# KiCad board latentpink.kicad_pcb (continued)
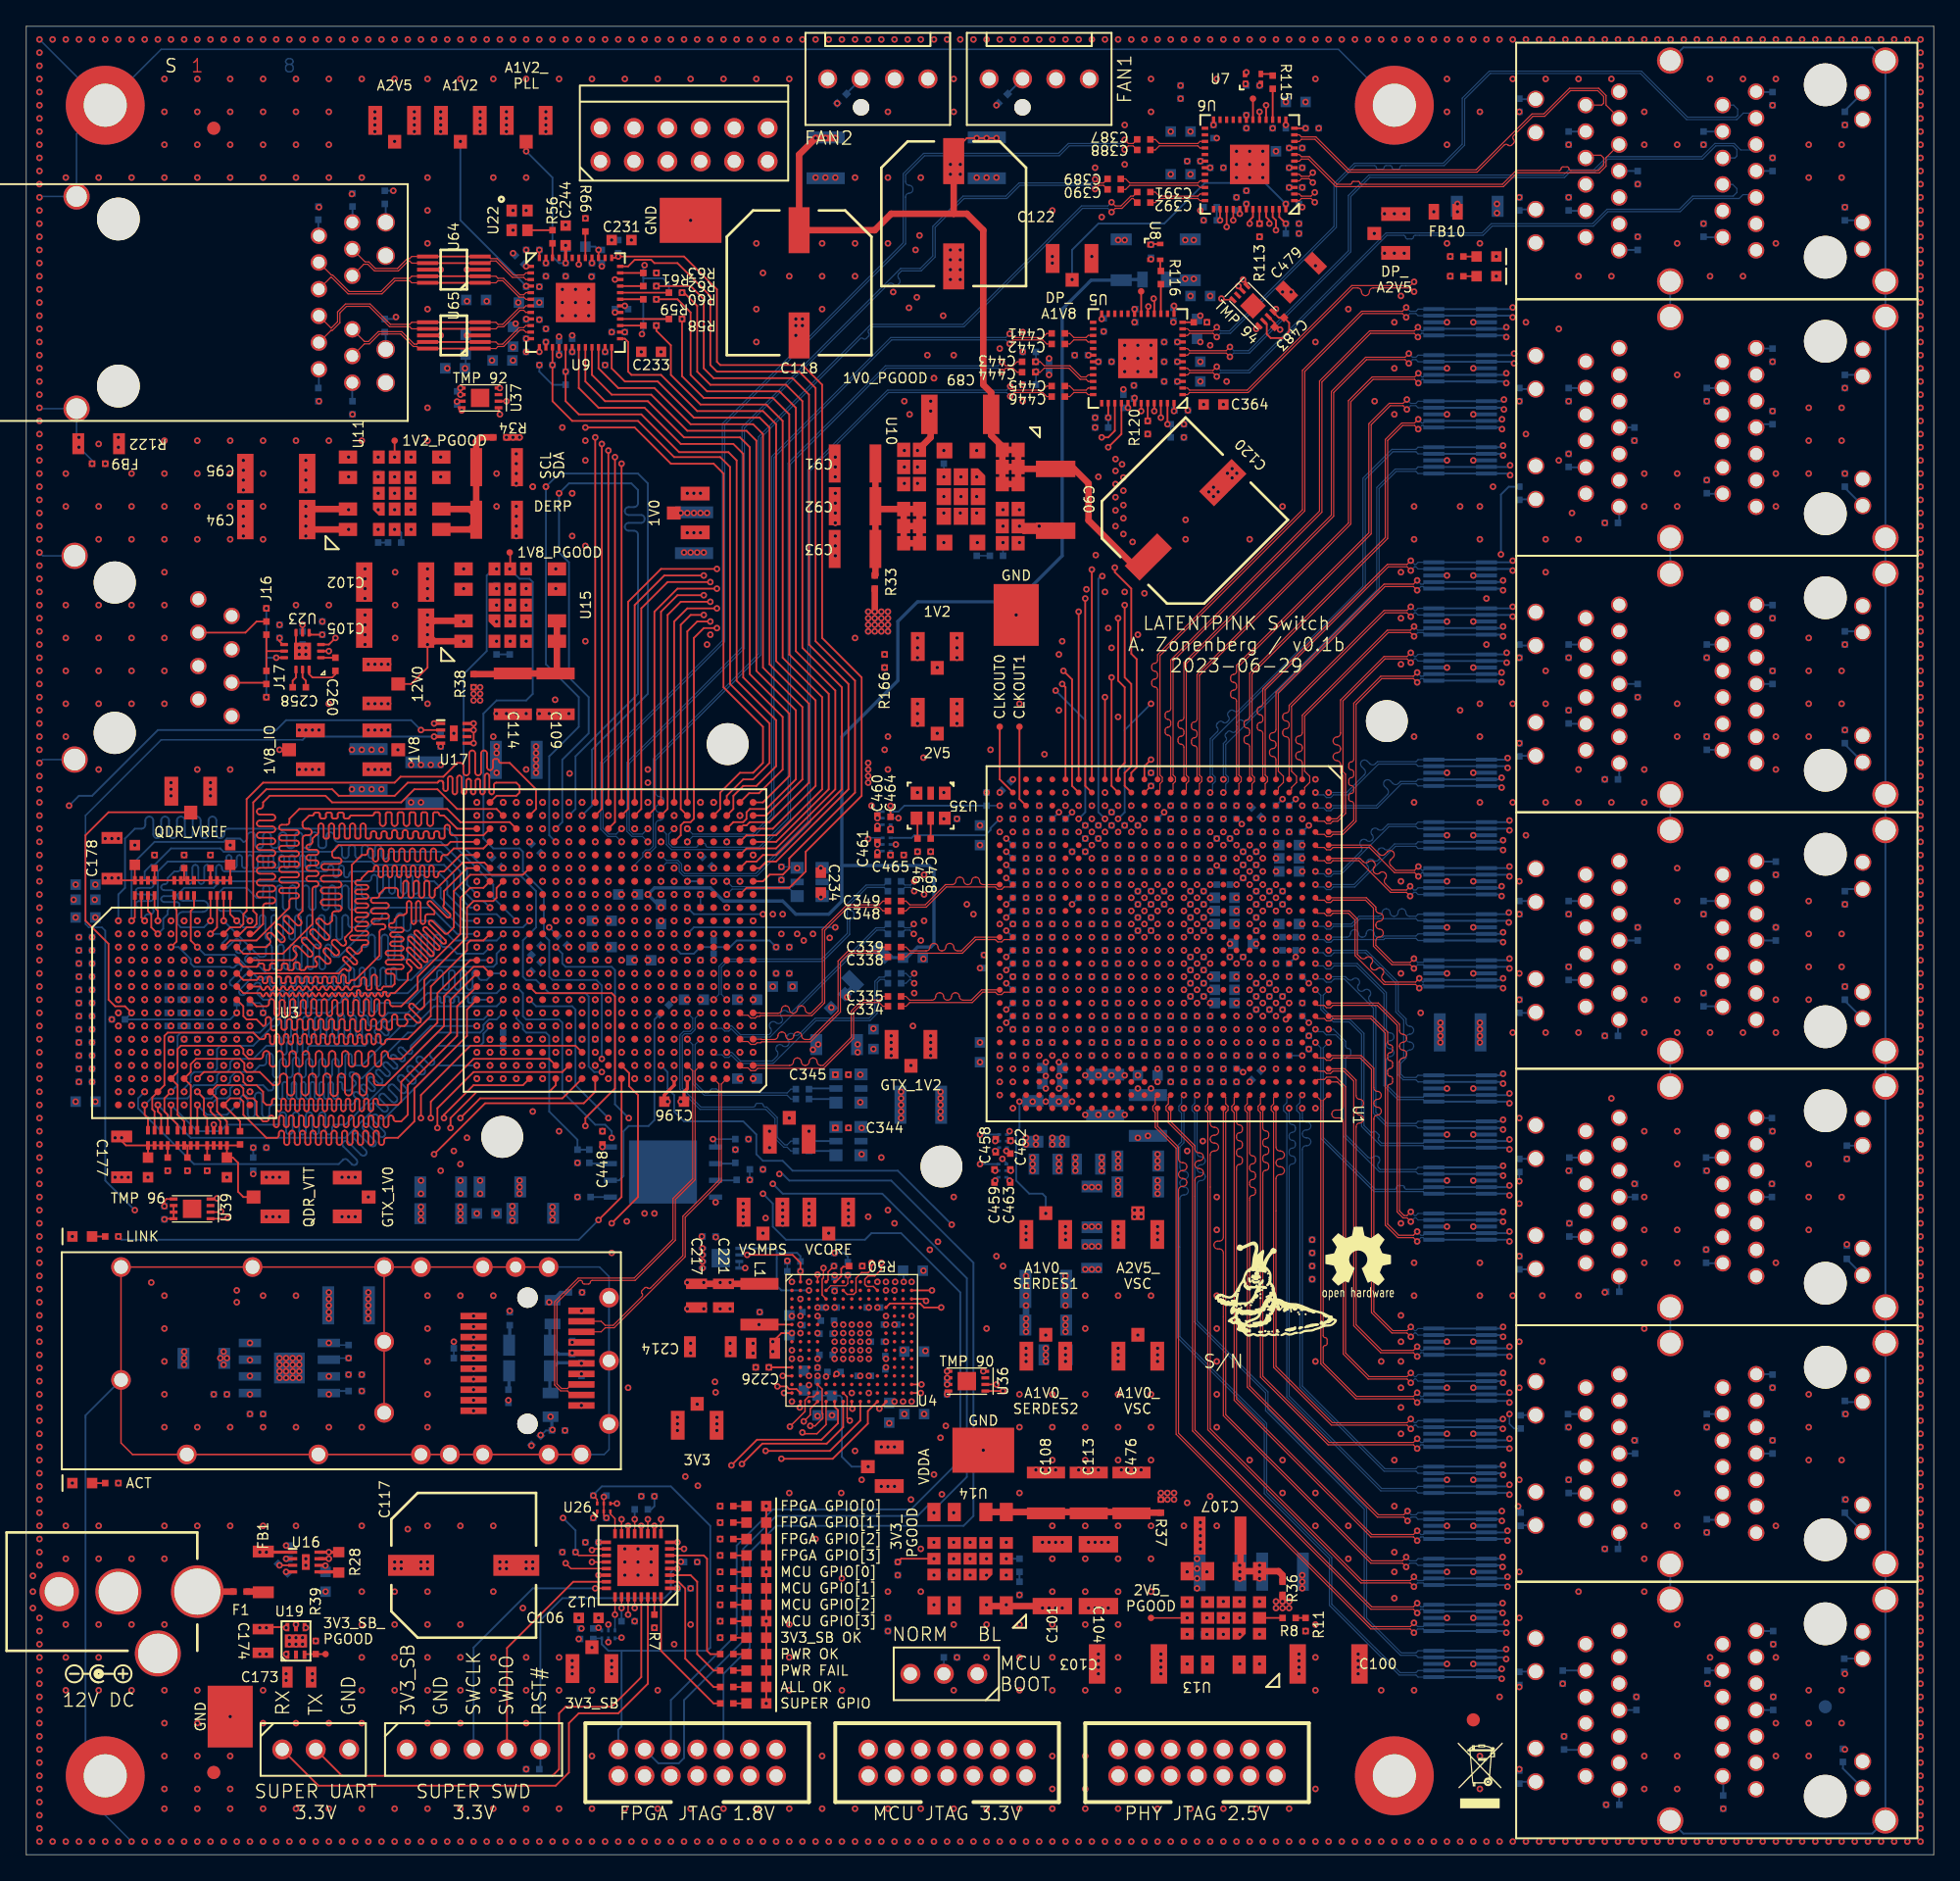
[diagram p0: board, top side]
## Routing (per net, layer and track width the routed paths; a pad name or vN(x,y) marks a point on that pad's centre or on a via; arc(x,y) is an arc through that point) (continued)
/Management/ETH12_LED2_3V3: length 110.9
  In2.Cu w0.115: v1(67.1,117.6) 59.8,110.3 59.8,70.8 59.1,70.1 v1(59.1,69.5)
  In5.Cu w0.115: v1(59.1,69.5) 59.1,65.85 58.75,65.5 47.75,65.5 v1(47.25,66) ; v1(108.25,121.5) 107.25,120.5 101.75,120.5 100.95,119.7 93.9,119.7 92.8,120.8 87.2,120.8 85.35,118.95 81.05,118.95 79.7,117.6 v1(67.1,117.6)
/Management/ETH13_LED0_3V3: length 117.8
  In2.Cu w0.115: v1(57.5,71.5) 58,72 58,112.4 v1(67.6,122)
  In5.Cu w0.115: v1(57.5,71.5) 57.5,71.25 55.75,69.5 50,69.5 49.75,69.25 49.75,68.75 49.5,68.5 47,68.5 46.75,68.25 46.75,66.75 46.25,66.25 v1(46.25,66) ; v1(67.6,122) 68.3,122.7 76.5,122.7 77.2,122 97.75,122 101.75,126 v1(113.5,126)
/Management/ETH13_LED1_3V3: length 123.3
  In2.Cu w0.115: v1(67.9,123.1) 56.75,111.95 v1(56.75,71.5)
  In5.Cu w0.115: v1(67.9,123.1) 82.1,123.1 82.5,123.5 84.25,123.5 84.65,123.1 86.4,123.1 86.9,123.6 90.15,123.6 90.65,123.1 92.6,123.1 93.2,122.5 96.9,122.5 102.15,127.75 108.75,127.75 v1(113.5,132.5) ; v1(45.25,65) 45.75,65.5 45.75,68.25 46,68.5 46.5,68.5 46.75,68.75 46.75,69.25 47,69.5 49.5,69.5 49.75,69.75 49.75,70.25 50,70.5 55.75,70.5 v1(56.75,71.5)
/Management/ETH13_LED2_3V3: length 108.2
  In2.Cu w0.115: v1(59.8,70) 61.6,71.8 61.6,92.85 62.22,93.47 62.22,109.53 v1(69.7,117)
  In5.Cu w0.115: v1(108.25,120) 102,120 101.3,119.3 93.7,119.3 92.6,120.4 87.5,120.4 85.8,118.7 82.8,118.7 81.2,117.1 69.8,117.1 v1(69.7,117) ; v1(59.8,70) 59.8,66 58.3,64.5 48.75,64.5 v1(48.25,65)
/Management/ETH_LED1_P: length 64.4
  In2.Cu w0.115: v1(28.1,116.9) 28.3,116.9 29.1,116.1 29.1,112.7 35.2,106.6 35.2,103.2 34.8,102.8 34.8,92.8 35.2,92.4 35.2,86.3 35.5,86 39.4,86 41.3,84.1 v1(41.3,82.2)
  In5.Cu w0.115: v1(41.3,82.2) 42.75,80.75 42.75,68.75 42.5,68.5 42,68.5 41.75,68.25 41.75,64.75 42,64.5 42.75,64.5 v1(43.25,64)
  Bottom w0.14: v1(28.1,116.9) 27.95,116.75 R54.1
/Management/ETH_LED2_P: length 74.3
  In2.Cu w0.115: v1(40.2,87.8) 40.2,93.8 38.8,95.2 38.8,98 38,98.8 38,105.5 39.4,106.9 39.4,110.2 36,113.6 36,122.4 31.9,126.5 v1(27.9,126.5)
  In5.Cu w0.115: v1(43.25,65) 42.75,65.5 42.75,68.25 43,68.5 43.5,68.5 43.75,68.75 43.75,86.25 42.2,87.8 v1(40.2,87.8)
  Bottom w0.14: R55.1 v1(27.9,126.5)
/Management/FAN1_PWM: length 103.4
  Top w0.115: U4.B11 64.4,43.2 63.9,43.2 63.75,43.35 63.75,43.75 64,44 64.5,44 65,44.5 v1(65,45)
  In2.Cu w0.115: v1(65,45) 67.12,47.12 67.12,53.62 68.5,55 70.5,55 70.75,55.25 70.75,76.75 71.25,77.25 71.25,80.75 76.8,86.3 76.8,92.8 78.5,94.5 78.5,116.5 77,118 77,130 75,132 73.63,132 73.19,132.44 J11.4
/Management/FAN1_TACH: length 108.6
  In2.Cu w0.115: v1(77.4,83.66) 77.4,91.83 79.1,93.53 79.1,117.6 78.75,117.95 78.75,120.5 79.1,120.85 79.1,131.63 J11.3 ; v1(67.4,63) 67.4,63.5 68.9,65 68.9,74.89 68.15,75.65 68.15,83.35 68.15,83.35 v1(68.2,83.4)
  In5.Cu w0.115: v1(46.25,64) 46.75,63.5 46.75,62.75 47,62.5 62.8,62.5 63,62.3 64.75,62.3 65.45,63 v1(67.4,63) ; v1(77.4,83.66) 77.14,83.4 v1(68.2,83.4)
  Bottom w0.14: J11.3 74.6,133.87
/Management/FAN2_PWM: length 107.4
  Top w0.115: U4.B7 62.4,42.6 62.9,42.6 63.08,42.78 63.08,43.83 63.5,44.25 64,44.25 64.25,44.5 v1(64.25,45)
  In2.Cu w0.115: v1(64.25,45) 64.25,45.5 66.5,47.75 66.5,54 68,55.5 69.75,55.5 70.25,56 70.25,81.55 72.6,83.9 72.6,96.65 ; J12.4 60.92,132.92 62.09,131.75 67.75,131.75 69.75,129.75 69.75,126.25 72.6,123.4 72.6,110.15
  In2.Cu w0.14: 72.6,110.15 72.6,107.65 73.25,107 73.25,97.3 72.6,96.65
/Management/FAN2_TACH: length 104.1
  In2.Cu w0.115: v1(61.07,69.7) 61.26,69.7 62.1,70.54 62.1,83 63.1,84 v1(65.25,84) ; J12.3 65.23,133.23 68.52,133.23 71.75,130 71.75,126.1 73.3,124.55 73.3,109.95 ; v1(73.3,84) 73.3,96.55 74,97.25
  In2.Cu w0.14: 73.3,109.95 73.3,108.95 75,107.25 75,98.25 74,97.25
  In5.Cu w0.115: v1(73.3,84) v1(65.25,84) ; v1(47.25,64) 47.75,63.5 58.5,63.5 61.07,66.07 v1(61.07,69.7)
  Bottom w0.14: J12.3 62.35,133.89
/Management/FPGA_LED0: length 34.8
  In2.Cu w0.115: v1(47.25,59) 47.25,53.75 49.75,51.25 49.75,34.2 52.75,31.2 v1(52.75,26.5)
/Management/FPGA_LED1: length 38.4
  In2.Cu w0.115: v1(46.25,61) 46.75,60.5 46.75,53.75 49.1,51.4 49.1,31.75 52.25,28.6 52.25,25.75 v1(52.75,25.25)
/Management/FPGA_LED2: length 37.7
  In2.Cu w0.115: v1(46.25,59) 46.25,53.65 48.7,51.2 48.7,31.65 52,28.35 52,24.75 v1(52.75,24)
/Management/FPGA_LED3: length 40.8
  In2.Cu w0.115: v1(46.25,60) 45.25,59 45.25,55.5 45.75,55 45.75,53.75 48.35,51.15 48.35,31.4 51.75,28 51.75,23.75 v1(52.75,22.75)
/Management/HARD_RESET_REQ: length 30.1
  Top w0.115: U12.28 v1(46.25,18.75)
  In2.Cu w0.115: v1(46.25,18.75) 47.25,18.75 48.6,20.1 48.6,23.7 51.05,26.15 v1(51.05,28.05)
  In5.Cu w0.115: v1(64.05,35.1) 64.05,32.7 59.4,28.05 v1(51.05,28.05)
/Management/I2C_SCL: length 6.3
  Top w0.14: v1(54.8,45.6) 58.25,45.6 58.85,45 v1(58.85,44.35) U4.A2
  Bottom w0.14: U20.6 v1(54.8,45.6)
/Management/I2C_SDA: length 10.5
  Bottom w0.14: 57.05,45.75 57.05,45.95 56.9,46.1 U20.5 ; 57.05,45.75 57.05,43.25 57.4,42.9 v1(59.5,42.9) ; 57.05,45.75 58.6,45.75 58.85,45.5 R52.1
/Management/MCU_BOOT0: length 40.2
  Top w0.115: v1(60.6,44.6) 60.6,43.85 60.5,43.75 60.5,42.55 U4.C5
  In2.Cu w0.115: v1(60.6,44.6) 60.6,43.14 62,41.74 62,41.3 61.5,40.8 61.35,40.8 60.85,40.3 60.85,36.86 61.2,36.51 61.2,34.15 61.95,33.39 v1(61.95,27.5) ; v1(67.25,27) 67.25,18.5 v1(70.75,15)
  In5.Cu w0.115: v1(67.25,27) 66.75,27.5 v1(61.95,27.5)
/Management/MCU_HEARTBEAT: length 31.8
  Top w0.115: U12.27 v1(45.75,18.25)
  In2.Cu w0.115: v1(50.1,28.75) 50.1,25.9 48.1,23.9 48.1,20.6 46.95,19.45 46,19.45 45.75,19.2 v1(45.75,18.25)
  In5.Cu w0.115: v1(50.1,28.75) 59.3,28.75 63.5,32.95 63.5,34.35 v1(62.75,35.1)
/Management/MCU_IRQ: length 34
  Top w0.14: U4.P1 v1(57.6,35.1)
  In2.Cu w0.115: v1(47.25,62) 47.75,61.5 49.6,61.5 49.8,61.3 49.8,60.2 50.75,59.25 50.75,58.75 51.5,58 51.5,56.25 53,54.75 53,47.5 54.1,46.4 54.1,44.3 54.7,43.7 54.7,36.15 55.75,35.1 v1(57.6,35.1)
/Management/MCU_JTAG_TCK: length 46.4
  In2.Cu w0.115: J10.6 68,10.25 67,11.25 65.25,11.25 63.5,13 v1(63.5,28.5) ; v1(69,28.9) 69,40.05 66.75,42.3 65.35,42.3 64.95,42.7 64.95,43.15 v1(65.35,43.55)
  In5.Cu w0.115: v1(69,28.9) 68.6,28.5 v1(63.5,28.5)
/Management/MCU_JTAG_TDI: length 43.4
  In2.Cu w0.115: v1(64.7,43.55) 64.7,42.3 67.6,39.4 67.6,34.71 67.7,34.61 67.7,33.7 67.65,33.65 67.65,31.7 64.5,28.55 64.5,13.5 65.75,12.25 69.5,12.25 72,9.75 J10.10
/Management/MCU_JTAG_TDO: length 42.1
  In2.Cu w0.115: v1(63.55,44.75) 63.55,41.4 64.72,40.22 64.72,34.88 64.45,34.6 64.45,29.1 64,28.65 64,13.25 65.5,11.75 69,11.75 70,10.75 J10.8
/Management/MCU_JTAG_TMS: length 43.9
  In2.Cu w0.115: v1(69.5,31.7) 69.5,40.05 66.65,42.9 v1(66,42.9) ; J10.4 66,9.75 63,12.75 v1(63,30.7)
  In5.Cu w0.115: v1(69.5,31.7) 69.45,31.65 63.95,31.65 v1(63,30.7)
/Management/MCU_JTAG_TRST:
  vias: v1(61.45,42.85)
/Management/MCU_LED0: length 19.6
  Top w0.14: U4.R6 61.45,34.05 61.7,33.8 61.7,32.8 60.45,31.55 55.55,31.55 v1(53.6,29.6)
  In2.Cu w0.115: v1(52.75,21.5) 53.5,22.25 53.5,29.5 v1(53.6,29.6)
/Management/MCU_LED1: length 20.9
  Top w0.14: U4.R7 62.1,32.5 60.85,31.25 55.95,31.25 v1(54.4,29.7)
  In2.Cu w0.115: v1(54.4,29.7) 53.75,29.05 53.75,21.25 v1(52.75,20.25)
/Management/MCU_LED2: length 22.7
  Top w0.14: U4.R9 63.4,33 61.1,30.7 v1(56.2,30.7)
  In2.Cu w0.115: v1(52.75,19) 54,20.25 54,28.5 v1(56.2,30.7)
/Management/MCU_LED3: length 23.9
  Top w0.14: U4.R11 63.97,33.72 63.97,32.78 61.3,30.1 v1(57.4,30.1)
  In2.Cu w0.115: v1(57.4,30.1) 54.25,26.95 54.25,19.25 v1(52.75,17.75)
/Management/MCU_QSPI_CLK: length 42.1
  Top w0.115: v1(62.6,33) 62.4,33.2 62.4,34.8 U4.P7
  In2.Cu w0.115: v1(52.4,35.15) 51.38,36.17 51.38,39.38 50.85,39.9 50.85,50.85 47.75,53.95 47.75,60.5 v1(47.25,61)
  In5.Cu w0.115: v1(62.6,33) 62.5,33 60.8,34.7 58.85,34.7 57.55,36 56.9,36 56.05,35.15 v1(52.4,35.15)
/Management/MCU_QSPI_CS_N: length 51.3
  Top w0.14: 65.35,34.41 v1(64.85,33.91)
  In2.Cu w0.115: v1(69.9,32.6) 70.4,33.1 70.4,47.85 v1(70.35,47.9)
  In5.Cu w0.115: v1(64.85,33.91) 65.29,33.91 66.6,32.6 v1(69.9,32.6)
  Bottom w0.14: v1(48.25,60) 48.75,59.5 48.75,58.25 49.25,57.75 49.25,56.5 50,55.75 54.5,55.75 55.5,54.75 55.5,53.25 56,52.75 57.5,52.75 58.25,52 66.25,52 v1(70.35,47.9)
/Management/MCU_QSPI_DQ0: length 34
  Top w0.14: U4.R2 58.85,34.05 v1(58.8,34)
  In2.Cu w0.115: v1(58.8,34) 56.1,34 54.2,35.9 54.2,43.6 53.25,44.55 53.25,46.85 51.9,48.2 51.9,53.8 51.75,53.95 51.75,55.15 51,55.9 51,58 50.5,58.5 50,58.5 49.75,58.75 49.75,59.25 49.5,59.5 49,59.5 48.75,59.75 48.75,60.5 v1(48.25,61)
/Management/MCU_QSPI_DQ1: length 38.2
  Top w0.115: v1(62.8,33.91) 62.75,33.96 U4.R8
  In2.Cu w0.115: 52.35,35.95 52.35,36.55 ; 52.35,36.55 52.35,35.95 v1(52.35,35.95) ; 52.35,36.55 52.35,46.15 51.9,46.6 51.9,47.4 51.4,47.9 51.4,50.85 48.25,54 v1(48.25,59)
  In5.Cu w0.115: v1(52.35,35.95) 52.4,36 56.25,36 57.05,36.8 58.05,36.8 58.97,35.88 58.97,35.42 59.25,35.15 61.56,35.15 v1(62.8,33.91)
/Management/MCU_QSPI_DQ2: length 34.1
  Top w0.14: U4.M1 v1(57.5,36.4)
  In2.Cu w0.115: v1(48.25,63) 48.25,63.05 48.7,63.5 51.4,63.5 51.7,63.2 51.7,59.8 52.25,59.25 52.25,57.05 54.3,55 54.3,51.5 53.8,51 53.8,48.14 57.2,44.74 57.2,36.7 v1(57.5,36.4)
/Management/MCU_QSPI_DQ3: length 35.3
  Top w0.14: v1(57.1,35.6) 57.8,35.6 58,35.4 58.55,35.4 U4.P2
  In2.Cu w0.115: v1(57.1,35.6) 56,36.7 56,37.7 56.25,37.95 56.25,44.95 53.4,47.8 53.4,55.1 51.75,56.75 51.75,59.25 50.8,60.2 50.8,62.3 50.6,62.5 47.75,62.5 v1(47.25,63)
/Management/MCU_UART_RX: length 122.7
  Top w0.14: U23.2 v1(23,91.5) ; U4.C15 68.25,42.25 v1(68.4,42.1)
  In2.Cu w0.115: v1(68.69,45.99) 68.7,45.97 68.7,43.8 68.2,43.3 68.2,42.3 v1(68.4,42.1)
  In5.Cu w0.115: v1(68.69,45.99) 62.61,45.99 62.1,46.5 8.7,46.5 4.5,50.69 4.5,76.75 13.45,85.7 17.2,85.7 v1(23,91.5)
/Management/MCU_UART_TX: length 123.8
  Top w0.14: U4.B15 v1(68.85,42.9) ; U23.3 23,92 v1(23.5,92.5)
  In2.Cu w0.115: v1(69.3,46.6) 69.3,43.35 v1(68.85,42.9)
  In5.Cu w0.115: v1(69.3,46.6) 62.65,46.6 62.4,46.85 53.07,46.85 52.32,47.6 8.4,47.6 5.75,50.25 5.75,72 9,75.25 9,80.5 13.45,84.95 17.45,84.95 23.5,91 v1(23.5,92.5)
/Management/MCU_VDDA: length 9.7
  Bottom w0.115: 61.15,34.9 FB5.2 C213.1
  Bottom w0.14: v1(64,29.5) 62.75,29.5 62,30.25 62,34.75 61.85,34.9 C210.1
  vias: v1(60.15,36.4)
/Management/PMOD_DQ0: length 68.3
  In2.Cu w0.115: v1(42.25,64) 41.75,64.5 41.75,67.25 42,67.5 42.5,67.5 42.75,67.75 42.75,73.35 43.3,73.9 43.3,76.39 42.75,76.94 42.75,83 45.75,86 45.75,113.25 44.1,114.9 44.1,119.6 44.25,119.75 44.25,122 43.65,122.6 J23.1
/Management/PMOD_DQ1: length 64.9
  In2.Cu w0.115: J23.2 46.19,123.56 46.5,123.25 46.5,121.75 46.25,121.5 46.25,114.19 46.75,113.69 46.75,85.5 44.75,83.5 44.75,67.75 44.5,67.5 44,67.5 43.75,67.25 43.75,66.5 v1(43.25,66)
/Management/PMOD_DQ2: length 69.9
  In2.Cu w0.115: J23.3 48.73,112.98 47.75,112 47.75,85 46.25,83.5 46.25,79 46.75,78.5 46.75,64.75 46.5,64.5 44,64.5 43.75,64.25 43.75,63.5 v1(43.25,63)
/Management/PMOD_DQ3: length 67.3
  In2.Cu w0.115: v1(47.25,82.5) 48.75,84 48.75,111.75 51.27,114.27 J23.4
  In5.Cu w0.115: v1(44.25,65) 43.75,65.5 43.75,68.25 44,68.5 44.5,68.5 44.75,68.75 44.75,80 v1(47.25,82.5)
/Management/PMOD_DQ4: length 68.9
  In2.Cu w0.115: J23.7 45,129.92 45,122.25 45.5,121.75 45.5,121.06 45.25,120.81 45.25,118.25 45,118 45,117.56 45.25,117.31 45.25,116.75 45,116.5 45,114.75 46.25,113.5 46.25,85.75 43.75,83.25 43.75,67.75 43.5,67.5 43,67.5 42.75,67.25 42.75,66.5 v1(42.25,66)
/Management/PMOD_DQ5: length 67.6
  In2.Cu w0.115: J23.8 47.5,129.96 47.5,112.5 47.25,112.25 47.25,85.25 45.75,83.75 45.75,66.75 45.5,66.5 44.75,66.5 v1(44.25,66)
/Management/PMOD_DQ6: length 73.6
  In2.Cu w0.115: J23.9 50,130 50,123.5 49.25,122.75 49.25,113 48.25,112 48.25,84.75 46.75,83.25 46.75,79.5 47.75,78.5 47.75,63.75 47.5,63.5 44.75,63.5 v1(44.25,63)
/Management/PMOD_DQ7: length 71.5
  In2.Cu w0.115: v1(47.25,81.5) 49.25,83.5 49.25,111.5 52.5,114.75 52.5,130.04 J23.10
  In5.Cu w0.115: v1(47.25,81.5) 45.75,80 45.75,68.75 45.5,68.5 45,68.5 44.75,68.25 44.75,64.5 v1(45.25,64)
/Management/RGMII PHY/CLK_125_N: length 5.7
  Bottom w0.09: U21.5 58.24,73.59 53.66,73.59 v1(53.25,74)
/Management/RGMII PHY/CLK_125_P: length 5.7
  Bottom w0.09: v1(53.25,73) 53.66,73.41 58.06,73.41 U21.4
/Management/RGMII PHY/DCI_VRN_34: length 0.5
  Bottom w0.14: R74.2 v1(52.25,68)
/Management/RGMII PHY/DCI_VRP_34:
  vias: v1(51.25,76)
/Management/RGMII PHY/ETH_A_N: length 14.5
  Top w0.09: J5.10 25.66,120.91 25.96,120.91 26.46,120.41 28.29,120.41 29.04,121.16 29.14,121.16 29.3,121 U64.7 ; U9.3 37.97,119.75 37.81,119.91 36.96,119.91 35.71,121.16 35.31,121.16 35.15,121
  Top w0.14: U64.4 U64.7
/Management/RGMII PHY/ETH_A_P: length 14.6
  Top w0.09: J5.11 25.76,121.09 26.04,121.09 26.54,120.59 28.21,120.59 28.96,121.34 29.14,121.34 29.3,121.5 U64.6 ; U9.2 37.97,120.25 37.81,120.09 37.04,120.09 35.79,121.34 35.31,121.34 35.15,121.5
  Top w0.14: U64.6 U64.5
/Management/RGMII PHY/ETH_B_N: length 18.1
  Top w0.09: U9.6 37.97,118.25 37.81,118.41 37.46,118.41 36.21,119.66 35.86,119.66 35.7,119.5 U64.1 ; U64.10 29.3,119.5 29.14,119.66 28.04,119.66 27.04,118.66 24.46,118.66 23.21,119.91 23.13,119.91 J5.4
  Top w0.14: U64.1 U64.10
/Management/RGMII PHY/ETH_B_P: length 18.2
  Top w0.09: J5.5 23.2,120.09 23.29,120.09 24.54,118.84 26.96,118.84 27.96,119.84 29.14,119.84 29.3,120 U64.9 ; U64.2 35.7,120 35.86,119.84 36.29,119.84 37.54,118.59 37.81,118.59 37.97,118.75 U9.5
  Top w0.14: U64.9 U64.2
/Management/RGMII PHY/ETH_C_N: length 19
  Top w0.09: U9.8 37.97,117.25 37.81,117.41 37.54,117.41 36.29,116.16 35.86,116.16 35.7,116 U65.4 ; J5.2 23.16,115.88 23.26,115.88 23.84,116.46 23.84,117.21 24.34,117.71 26.06,117.71 27.61,116.16 29.14,116.16 29.3,116 U65.7
  Top w0.14: U65.4 U65.7
/Management/RGMII PHY/ETH_C_P: length 19
  Top w0.09: U65.6 29.3,116.5 29.14,116.34 27.69,116.34 26.14,117.89 24.26,117.89 23.66,117.29 23.66,116.54 23.18,116.06 23.16,116.06 J5.3 ; U9.7 37.97,117.75 37.81,117.59 37.46,117.59 36.21,116.34 35.86,116.34 35.7,116.5 U65.5
  Top w0.14: U65.6 U65.5
/Management/RGMII PHY/ETH_CLK_25MHZ: length 1.1
  Top w0.14: U9.46 R56.1
/Management/RGMII PHY/ETH_D_N: length 14.7
  Top w0.09: J5.8 25.7,114.86 26.09,114.86 26.84,115.61 28.46,115.61 29.41,114.66 29.69,114.66 29.85,114.5 ; U65.1 35.7,114.5 35.86,114.66 36.29,114.66 37.54,115.91 37.81,115.91 37.97,115.75 U9.11
  Top w0.14: U65.1 U65.10
/Management/RGMII PHY/ETH_D_P: length 14.7
  Top w0.09: J5.9 25.7,115.04 26.01,115.04 26.76,115.79 28.54,115.79 29.49,114.84 29.69,114.84 29.85,115 ; U65.2 35.7,115 35.86,114.84 36.21,114.84 37.46,116.09 37.81,116.09 37.97,116.25 U9.10
  Top w0.14: U65.9 U65.2
/Management/RGMII PHY/ETH_LED1_N_1V8: length 49.3
  Top w0.14: U2.AA3 53.75,79.5 53.75,80.5 54.5,81.25 55.5,81.25 57,82.75 57,86.25 54,89.25 54,106 53.38,106.62 49.62,106.62 46.75,109.5 42,109.5 41,110.5 v1(41,112.75) U9.17
/Management/RGMII PHY/ETH_LED2_N_1V8: length 48.2
  Top w0.14: U2.AB3 53.25,80.5 54.5,81.75 55.25,81.75 56.5,83 56.5,86 53.5,89 53.5,105.5 52.75,106.25 49.25,106.25 46.5,109 41.5,109 40,110.5 U9.15
  vias: v1(40,113.25)
/Management/RGMII PHY/ETH_MDC: length 65.1
  Top w0.14: U9.36 45.75,120.75 46.25,121.25 47.5,121.25 47.75,121 49.5,121 52,118.5 52,113.25 52.5,112.75 58.75,112.75 60,111.5 60,92.25 63,89.25 63,80.75 58,75.75 58,75 57.51,74.51 56.51,74.51 56,74 U2.T1
/Management/RGMII PHY/ETH_MDIO: length 69.3
  Top w0.14: U2.R2 54.75,73.5 58,73.5 59.25,74.75 59.25,76.25 63.5,80.5 63.5,89.5 60.5,92.5 60.5,111.75 59,113.25 52.75,113.25 52.5,113.5 52.5,119 50,121.5 v1(45,121.5) 44.9,121.4 U9.37
  Bottom w0.14: R73.2 v1(45,121.5)
/Management/RGMII PHY/ETH_RST_N: length 54.4
  Top w0.14: v1(42.5,108.5) 46.25,108.5 49,105.75 52.25,105.75 53,105 53,88.75 56,85.75 56,83 55.25,82.25 54.25,82.25 52.75,80.75 52.75,79.5 U2.AA4 ; U9.42 v1(42,120.9)
  In2.Cu w0.115: v1(42,120.9) 42.3,120.6 42.3,108.7 v1(42.5,108.5)
/Management/RGMII PHY/ETH_RX_CLK: length 57.4
  In2.Cu w0.115: v1(56,120.25) 56,90 51,85 51,83 52.75,81.25 52.75,74.5 v1(52.25,74)
  In5.Cu w0.115: v1(56,120.25) v1(47.9,120.25)
/Management/RGMII PHY/ETH_RX_DV: length 59.1
  Top w0.14: U2.U1 55.75,75 56.25,75.5 57,75.5 62.5,81 62.5,89 59.5,92 59.5,111 58.25,112.25 52.25,112.25 51.5,113 51.5,118.25 50.5,119.25 v1(47.9,119.25)
/Management/RGMII PHY/ETH_RXD0: length 56.3
  Top w0.14: 50,118.75 51,117.75 51,112.75 52,111.75 57.75,111.75 59,110.5 59,91.75 62,88.75 62,81 57,76 56,76 55.5,75.5 54.75,75.5 U2.U2
  vias: v1(49.85,118.75)
/Management/RGMII PHY/ETH_RXD1: length 56.4
  Top w0.14: v1(47.9,118.25) 49.5,118.25 50.5,117.25 50.5,112.5 51.75,111.25 57.25,111.25 58.5,110 58.5,91.5 61.5,88.5 61.5,81 57,76.5 54.75,76.5 U2.V2
/Management/RGMII PHY/ETH_RXD2: length 50.9
  Top w0.14: v1(49.85,116.75) 49.85,112.4 51.5,110.75 56.75,110.75 58,109.5 58,91.25 61,88.25 61,81 57,77 U2.W1
/Management/RGMII PHY/ETH_RXD3: length 51.3
  Top w0.14: U2.W2 54.75,77.5 57,77.5 60.5,81 60.5,88 57.5,91 57.5,109 56.25,110.25 51.25,110.25 49,112.5 49,114.75 47.9,115.85 v1(47.9,116.25)
/Management/RGMII PHY/RGMII_TX_CLK: length 50.4
  Top w0.14: U2.Y2 54.5,78.25 54.75,78.25 55,78.5 56.5,78.5 59.5,81.5 59.5,87.5 56.5,90.5 56.5,108.5 55.75,109.25 50.75,109.25 48,112 45.5,112 44.5,113 U9.24
/Management/RGMII PHY/RGMII_TX_EN: length 50.7
  Top w0.14: U2.Y1 56.75,78 60,81.25 60,87.75 57,90.75 57,108.75 56,109.75 51,109.75 48.25,112.5 46,112.5 45.75,112.75 45.75,115 45.5,115.25 U9.25
/Management/RGMII PHY/RGMII_TXD0: length 47.2
  Top w0.14: U2.AB2 54.95,80.7 55.7,80.7 57.5,82.5 57.5,86.5 54.5,89.5 54.5,106.5 53.75,107.25 49.75,107.25 47,110 43.5,110 42,111.5 U9.19
/Management/RGMII PHY/RGMII_TXD1: length 47
  Top w0.14: U9.20 42.5,112 44,110.5 47.25,110.5 50,107.75 54.25,107.75 55,107 55,89.75 58,86.75 58,82 56,80 U2.AB1
/Management/RGMII PHY/RGMII_TXD2: length 50.8
  Top w0.14: U9.21 43,112.5 44.5,111 47.5,111 50.25,108.25 54.75,108.25 55.5,107.5 55.5,90 58.5,87 58.5,81.75 56.25,79.5 55,79.5 54.75,79.25 54.75,78.75 54.5,78.5 53.75,78.5 U2.Y3
/Management/RGMII PHY/RGMII_TXD3: length 48.6
  Top w0.14: U9.22 43.5,113 45,111.5 47.75,111.5 50.5,108.75 55.25,108.75 56,108 56,90.25 59,87.25 59,81.75 56.25,79 U2.AA1
/Management/RS232_RX: length 8.1
  Top w0.14: U23.9 v1(19,91)
  Bottom w0.14: v1(19,91) 18.25,91 ; 18.25,91 v1(18.25,94.75) ; 18.25,91 v1(18.25,88)
/Management/RS232_RX_RJ45: length 2.5
  Top w0.14: J7.6 18.16,89.09
/Management/RS232_TX: length 4.1
  Top w0.14: J16.1 18.25,91.5 ; 18.25,91.5 U23.8 ; 18.25,91.5 J17.3
/Management/RS232_TX_RJ45: length 5.5
  Top w0.14: J16.2 17.5,93.75 16.66,92.91 J7.3
/Management/SFP_LED0: length 48.7
  Top w0.14: v1(43.5,48.25) 45.25,50 U2.A11
  Bottom w0.14: v1(7,47) 7.25,46.75 42,46.75 v1(43.5,48.25)
/Management/SFP_LED1: length 68.4
  Top w0.14: v1(44.5,48) 46.5,50 46.5,57.75 45.83,58.42 45.83,59.42 U2.B11
  In2.Cu w0.115: v1(9.5,43.5) 9.5,29.75 8,28.25 v1(7,28.25) ; v1(44.5,48) v1(44.5,45.75)
  In5.Cu w0.115: v1(9.5,43.5) 11.75,45.75 v1(44.5,45.75)
/Management/VCORE: length 22.3
  Top w0.115: v1(60.15,44.1) U4.A4
  In4.Cu w0.115: v1(66.7,43.55) 66.7,40.1 66,39.4 v1(66,34.45) ; 60.15,43.75 60.35,43.55 ; 61,46.1 60.15,45.25 v1(60.15,44.1)
  In4.Cu w0.14: 60.15,44.4 60.15,43.75 ; 66.7,42.95 66.05,42.3 64.7,42.3 64.05,42.95 61.98,42.95 61.38,43.55 60.35,43.55 ; v1(61,47.25) 61,46.1
  Bottom w0.14: v1(66.7,43.55) 66.7,44.35
/Management/VLXSMPS: length 2.5
  Top w0.14: U4.F1 L1.2
  vias: v1(55.7,40.3)
/Management/VSMPS: length 51
  Top w0.5: C217.1 54.4,43.4 54.5,43.5
  In4.Cu w0.115: v1(58.85,39.65) 59.5,40.3 59.5,41.8 58.55,41.8 58.15,42.2 58.15,43 ; 58.4,43 58.95,43 v1(59.5,43.55) ; v1(66.75,33.5) 66.65,33.6 v1(66.65,34.45) 66.65,35.15 67.7,36.2 67.7,40.1 68,40.4 68,43.6 67.15,44.45
  In4.Cu w0.14: v1(58.85,39.65) 59.26,39.24 59.26,37.26 59,37 59,35 59.75,34.25 60.98,34.25 61.73,33.5 v1(66.75,33.5) ; v1(50.25,43.5) 56.75,43.5 57.25,43 58.4,43 ; 67.15,44.45 66.3,44.45 66.05,44.2 v1(66.05,43.55) ; v1(56,47.25) 54,47.25 53.5,46.75 v1(53.5,43.5)
  vias: v1(51.5,43.5) v1(52.75,43.5)
/MCU_RST_N: length 24.2
  Top w0.115: U12.14 v1(45.75,25)
  Top w0.14: U4.L1 v1(56.45,37.05)
  In2.Cu w0.115: v1(45.75,25) v1(45.75,35.5)
  In5.Cu w0.115: v1(45.75,35.5) 51,35.5 51.85,36.35 55.75,36.35 v1(56.45,37.05)
/Power Supply/ALL_OK: length 10.3
  Top w0.14: U12.2 49.58,20.75 50.09,20.24 50.09,14.91 52.25,12.75 R24.1
/Power Supply/FPGA_DONE_3V3: length 1.8
  Top w0.115: U26.3 44.4,25.9 44.75,25.55 U12.16
/Power Supply/FPGA_INIT_3V3: length 2.5
  Top w0.115: U12.25 v1(44.75,18.25)
  Bottom w0.115: v1(44.75,18.25) U27.3
/Power Supply/PWR_FAIL: length 10.1
  Top w0.14: U12.3 50.5,21.25 51,20.75 51,15.25 52.25,14 R27.1
/Power Supply/PWR_OK: length 11.1
  Top w0.14: R26.1 52,15.25 51.75,15.5 51.75,22.5 51.5,22.75 U12.6
/Power Supply/SUPER_BOOT0: length 1.3
  Top w0.14: U12.31 R7.1
/Power Supply/SUPER_GPIO: length 10.3
  Top w0.14: R53.1 52.25,11.5 48.25,15.5 U12.32
/Power Supply/SUPER_RST_N: length 24.8
  Top w0.14: U12.4 v1(49.5,21.75)
  Bottom w0.14: 39.08,6.58 J13.5 39.08,17.83 40.75,19.5 48.5,19.5 49,20 49,21.5 49.25,21.75 v1(49.5,21.75)
/Power Supply/SUPER_SWCLK: length 19.7
  Top w0.14: U12.24 v1(43.25,20.25)
  Bottom w0.14: v1(43.25,20.25) 38.5,20.25 34,15.75 J13.3
/Power Supply/SUPER_SWDIO: length 17.4
  Top w0.14: U12.23 41.58,20.75 36.54,15.71 J13.4
/Power Supply/SUPER_UART_RX: length 40.9
  Top w0.14: J14.1 22.21,5.25 40.25,5.25 41.25,6.25 41.25,10 42,10.75 45,10.75 47.25,13 U12.30
/Power Supply/SUPER_UART_TX: length 37.3
  Top w0.14: J14.2 24,6 40,6 40.5,6.5 40.5,10.75 41,11.25 44.5,11.25 46.75,13.5 U12.29
/Power Supply/VTT_EN: length 34.5
  Top w0.115: U12.21 41.41,21.75 v1(41,22.16)
  In2.Cu w0.115: v1(29,24.75) 28.5,25.25 28.5,37 27.75,37.75 v1(24.5,37.75)
  In5.Cu w0.115: v1(29,24.75) 30.25,23.5 39.66,23.5 v1(41,22.16)
  Bottom w0.115: v1(24.5,37.75) 23.11,37.75
/QDR_VREF: length 112.8
  Top w0.14: 12.5,79.25 6.25,79.25 4.5,77.5 4.5,71 6.25,69.25 6.25,65 6.75,64.5 7.5,64.5 v1(8,64)
  In3.Cu w0.115: 33.5,60 34,60.5 35.75,60.5 ; v1(36.25,61) 36.7,61.45 36.7,67.55 ; 36.7,72.95 36.75,73 v1(37.25,73) ; 36.7,72.95 36.7,67.55 ; 36.7,72.95 36.7,73.99 36.25,74.44 v1(36.25,75) 36.75,75.5 38.75,75.5 v1(39.25,76) ; 22.6,35.4 v1(23,35) 22,36 22,60 ; 36.7,67.55 36.75,67.5 38.75,67.5 v1(39.25,68)
  In3.Cu w0.14: v1(16,64) 16.5,63.5 17.75,63.5 18,63.25 18,61.75 19.75,60 33.5,60 ; v1(42.25,62) 41.75,61.5 36.75,61.5 v1(36.25,61) 35.75,60.5
  Bottom w0.115: v1(36.25,61) C192.1 ; v1(16,64) C176.1
  Bottom w0.14: v1(8,64) C175.1 15.5,63.5 v1(16,64) ; C167.1 23.16,35.25
/QDR_VTT: length 92.4
  Top w0.14: 12.17,53.93 12.25,53.85 C187.1 ; 12.17,53.93 RN5.1 ; 12.17,53.93 16.17,53.92 ; C181.1 12,74.15 11.92,74.08 ; C180.1 RN1.1 11.92,74.08 ; RN2.1 C183.1 ; RN5.1 C186.1 ; RN5.1 7.58,53.92 7.25,54.25 ; RN5.4 C185.1 ; RN2.4 C184.1 ; RN2.4 6.64,74.08 ; RN2.4 11.92,74.08 ; TP13.1 16.5,50 16.1,50.4 16.1,52.6 15.7,53 C182.1 RN4.4 ; RN1.4 C179.1 ; C189.1 RN4.1
  In4.Cu w0.115: 4.5,73 4.5,74.25 4.75,74.5 5.75,74.5 v1(6,74.25) ; v1(23,36.36) 23,37 21.09,38.91 v1(17,38.91) 15.49,38.91 13.6,40.8 13.6,51.4 10.25,54.75 7.75,54.75
  In4.Cu w0.14: v1(23,36.36) 23.13,36.5 v1(24.5,36.5) ; 4.5,73 4.5,56.5 6.25,54.75 7.75,54.75 ; v1(23,42.75) 23,40.81 21.09,38.91 ; v1(7,74.25) v1(6,74.25)
  vias: v1(6.5,74.25) v1(6.75,54.5) v1(7.25,54.5) v1(23,42.25) v1(23,41.75) v1(23,41.25) v1(23,40.75)
/QSGMII PHY/ETH0_D0_N: length 71
  Top w0.09: v1(105,25.38) 104.72,25.66 102.71,25.66 92.82,35.55 92.82,56.42 92.64,56.6 92.64,56.9 92.82,57.08 92.82,57.57 U1.G25
  In2.Cu w0.081: v1(112.17,25.38) 112.46,25.66 113.89,25.66 114.24,26.01 115.66,26.01 123.76,17.91 127.91,17.91 arc(128.09,17.84) 128.16,17.66 arc(128.23,17.48) 128.41,17.41 128.51,17.41 arc(128.69,17.48) 128.76,17.66 arc(128.83,17.84) 129.01,17.91 129.26,17.91 130.31,16.86 130.31,16.3 130.03,16.01 J4.13
  Bottom w0.09: U48.4 105.8,25.5 105.64,25.66 105.28,25.66 v1(105,25.38)
  Bottom w0.14: U48.4 U48.7 112.05,25.5 v1(112.17,25.38)
/QSGMII PHY/ETH0_D0_P: length 71
  Top w0.09: U1.G26 93,53.35 arc(93.07,53.19) 93.22,53.13 arc(93.38,53.06) 93.45,52.9 93.45,52.75 arc(93.38,52.59) 93.22,52.53 arc(93.07,52.46) 93,52.3 93,52.15 arc(93.07,51.99) 93.22,51.93 arc(93.38,51.86) 93.45,51.7 93.45,51.55 arc(93.38,51.39) 93.22,51.33 arc(93.07,51.26) 93,51.1 93,50.95 arc(93.07,50.79) 93.22,50.73 arc(93.38,50.66) 93.45,50.5 93.45,50.35 arc(93.38,50.19) 93.22,50.13 arc(93.07,50.06) 93,49.9 93,35.63 102.79,25.84 104.72,25.84 v1(105,26.12)
  In2.Cu w0.081: J4.6 130.49,16.03 130.49,16.94 129.34,18.09 123.84,18.09 115.74,26.19 114.16,26.19 113.81,25.84 112.46,25.84 v1(112.17,26.12)
  Bottom w0.09: U48.5 105.8,26 105.64,25.84 105.28,25.84 v1(105,26.12)
  Bottom w0.14: v1(112.17,26.12) 112.05,26 U48.6 U48.5
/QSGMII PHY/ETH0_D1_N: length 75.5
  Top w0.09: v1(105.73,23.88) 105.45,24.16 102.21,24.16 91.82,34.55 91.82,56.42 91.64,56.6 91.64,56.9 91.82,57.08 91.82,57.57 U1.H25
  In2.Cu w0.081: v1(112.6,23.88) 112.89,24.16 113.46,24.16 114.71,22.91 117.71,22.91 125.16,15.46 125.16,12.46 126.71,10.91 129.94,10.91 130.59,11.56 130.59,12.38 131.21,13.01
  Bottom w0.09: 106.35,24 106.19,24.16 106.02,24.16 v1(105.73,23.88)
  Bottom w0.14: U48.1 U48.10 112.47,24 v1(112.6,23.88)
